# Altium PCB ps32-lite_rev_a_public.pcbdoc (part 3 of 3)
Units mm, origin at the board's own origin, x right, y up, seen from the top; angles counter-clockwise.
Board outline 80 x 99 mm, 4 copper layers (Top Layer, Int1 (GND), Int2 (PWR), Bottom Layer), stack 1.369 mm thick; 80 components, 247 nets, 825 pads, 640 vias.
Unrouted connection lines stored in the file: 30.
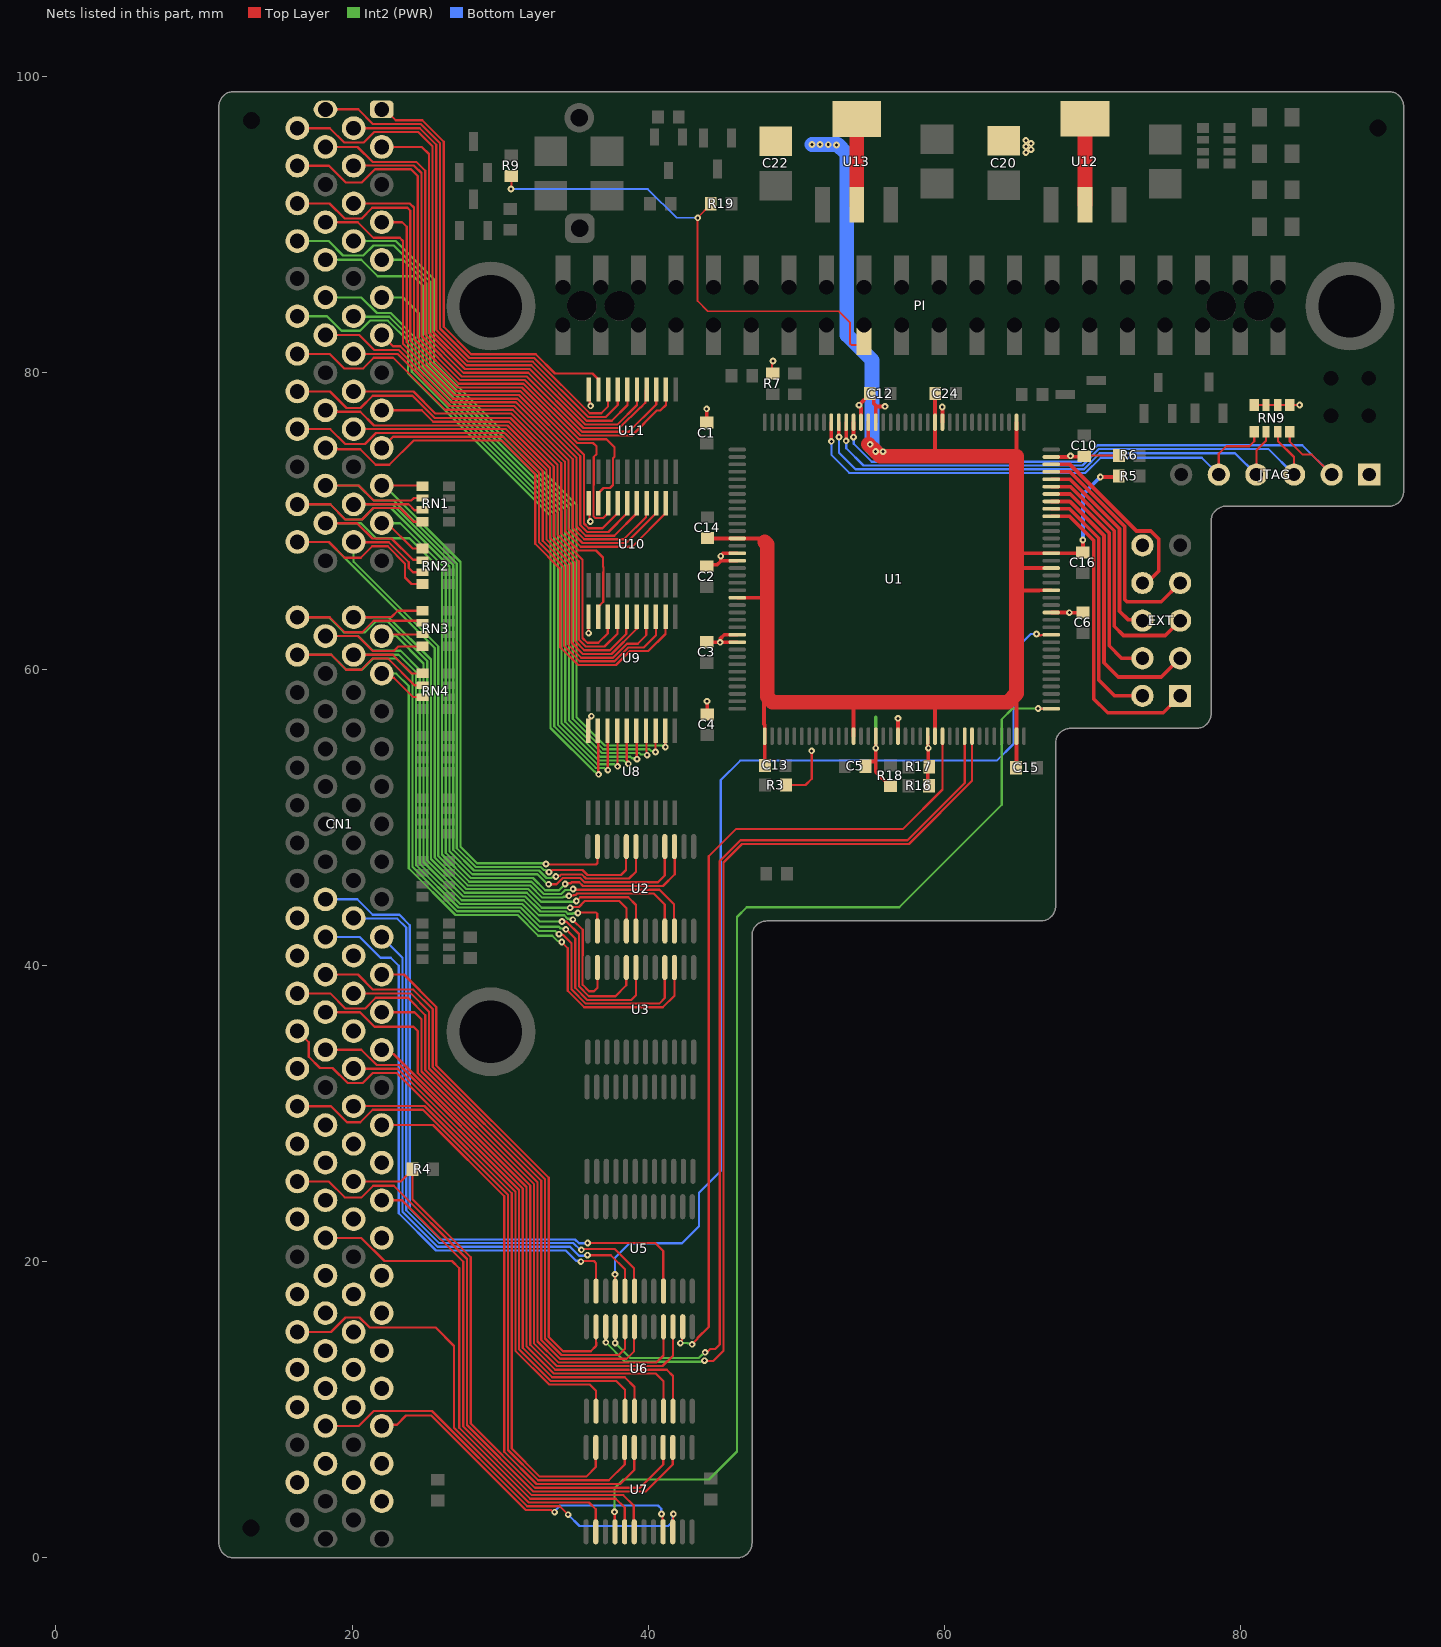
[diagram p5: the nets of this part, all layers, seen from the top]

## Via types
v1: diameter 0.45, hole 0.2, Top Layer to Bottom Layer, tented both sides, 430 vias
v2: diameter 0.8, hole 0.4, Top Layer to Bottom Layer, tented both sides, 210 vias

## Nets (pads, with @x,y where several pads share a name; then routed paths per layer and width w, separated by ;. In a path a pad name is that pad's centre, name@x,y a point inside that pad or via, vN(x,y) a via of type N, cw(c..) or ccw(c..) an arc to the next point about the centre after c; other vN are vias at no path point) (continued)
P82: CN1.P$82 U5.21 | length 46.6
  Top Layer w0.15: v1(35.907,21.259) 40.468,21.259 41.009,20.718 41.009,18.018 U5.21@41.019,18.007
  Bottom Layer w0.15: CN1.P$82@18.2,44.46 20.351,44.46 21.398,43.413 23.193,43.413 23.897,42.709 23.897,23.577 25.977,21.497 35.05,21.497 35.313,21.234 35.882,21.234 v1(35.907,21.259)
P83: CN1.P$83 U5.18 | length 41.5
  Top Layer w0.15: v1(35.478,20.797) 35.528,20.848 37.724,20.848 39.04,19.531 39.04,18.036 U5.18@39.069,18.007
  Bottom Layer w0.15: CN1.P$83@20.1,43.19 20.132,43.158 23.05,43.158 23.647,42.56 23.647,23.473 25.873,21.247 34.946,21.247 35.396,20.797 v1(35.478,20.797)
P84: CN1.P$84
P85: CN1.P$85 U5.17 | length 37.3
  Top Layer w0.15: v1(35.891,20.434) 37.461,20.434 38.419,19.476 U5.17@38.419,18.007
  Bottom Layer w0.15: CN1.P$85@22,41.92 23.397,40.523 23.397,23.37 25.769,20.997 34.712,20.997 35.312,20.397 35.854,20.397 v1(35.891,20.434)
P86: CN1.P$86 U5.14 | length 39.1
  Top Layer w0.15: v1(35.444,19.997) 35.481,20.034 36.325,20.034 36.469,19.89 U5.14@36.469,18.007
  Bottom Layer w0.15: CN1.P$86@18.2,41.92 20.506,41.92 21.916,40.51 22.606,40.51 23.147,39.969 23.147,23.266 25.666,20.747 34.424,20.747 35.116,20.055 35.387,20.055 v1(35.444,19.997)
P87: CN1.P$87
P88: CN1.P$88
P89: CN1.P$89 U6.11 | length 36.3
  Top Layer w0.15: CN1.P$89@22,39.38 23.505,39.38 25.687,37.198 25.687,33.247 33.272,25.662 33.272,14.909 34.236,13.945 36.119,13.945 36.469,14.295 ; 36.469,14.546 U6.11@36.469,15.6 ; 36.471,14.546 U6.11@36.471,15.759 ; 36.476,14.326 36.476,14.546
P90: CN1.P$90 U6.8 | length 41.1
  Top Layer w0.15: CN1.P$90@18.2,39.38 20.399,39.38 21.414,38.365 24.124,38.365 25.437,37.052 25.437,33.143 33.022,25.558 33.022,14.806 34.133,13.695 37.996,13.695 38.419,14.118 U6.8@38.419,15.6
P91: CN1.P$91 U6.7 | length 39.6
  Top Layer w0.15: CN1.P$91@20.1,38.11 23.949,38.11 25.187,36.872 25.187,33.039 32.772,25.455 32.772,14.702 34.029,13.445 38.533,13.445 39.041,13.953 39.041,15.572 U6.7@39.069,15.6
P92: CN1.P$92 U6.4 | length 46.2
  Top Layer w0.15: CN1.P$92@16.3,38.11 18.523,38.11 19.551,37.082 20.863,37.082 21.596,37.815 23.765,37.815 24.937,36.643 24.937,32.936 32.522,25.351 32.522,14.599 33.926,13.195 40.548,13.195 41.019,13.667 41.019,14.293 U6.4@41.019,15.6
P93: CN1.P$93 U6.3 | length 40.2
  Top Layer w0.15: CN1.P$93@22,36.84 24.206,36.84 24.687,36.359 24.687,32.832 32.272,25.247 32.272,14.495 33.822,12.945 40.962,12.945 41.669,13.652 U6.3@41.669,15.6
P94: CN1.P$94 U6.22 | length 44
  Top Layer w0.15: CN1.P$94@18.2,36.84 18.208,36.832 20.528,36.832 21.503,35.857 24.148,35.857 24.437,35.568 24.437,32.729 32.022,25.144 32.022,14.391 33.718,12.695 41.247,12.695 41.669,12.273 U6.22@41.669,9.9
P95: CN1.P$95
P96: CN1.P$96 U6.14 | length 39
  Top Layer w0.15: CN1.P$96@16.3,35.57 17.064,34.806 17.064,33.835 17.826,33.074 18.677,33.074 19.696,32.055 20.71,32.055 21.39,32.735 23.016,32.735 31.022,24.73 31.022,13.977 33.304,11.695 36.051,11.695 36.469,11.276 U6.14@36.469,9.9
P97: CN1.P$97 U6.21 | length 36.6
  Top Layer w0.15: CN1.P$97@22,34.3 22.277,34.023 22.79,34.023 31.772,25.04 31.772,14.288 33.615,12.445 40.498,12.445 41.019,11.923 U6.21@41.019,9.9
P98: CN1.P$98 U6.18 | length 38.2
  Top Layer w0.15: CN1.P$98@18.2,34.3 20.621,34.3 21.653,33.268 23.191,33.268 31.522,24.937 31.522,14.184 33.511,12.195 38.412,12.195 39.069,11.537 U6.18@39.069,9.9
P99: CN1.P$99 U6.17 | length 35.1
  Top Layer w0.15: CN1.P$99@20.1,33.03 20.112,33.018 23.087,33.018 31.272,24.833 31.272,14.081 33.408,11.945 37.829,11.945 38.419,11.354 U6.17@38.419,9.9
P100: CN1.P$100
P103: CN1.P$103 U7.11 | length 38.4
  Top Layer w0.15: CN1.P$103@20.1,30.49 20.11,30.5 24.89,30.5 30.772,24.618 30.772,7.386 32.676,5.482 35.802,5.482 36.45,6.13 36.45,6.35 U7.11@36.45,7.455
P104: CN1.P$104 U7.8 | length 45
  Top Layer w0.15: CN1.P$104@16.3,30.49 18.568,30.49 19.649,29.409 20.556,29.409 21.397,30.25 24.787,30.25 30.522,24.515 30.522,7.282 32.572,5.232 37.334,5.232 38.4,6.298 U7.8@38.4,7.455
P105: CN1.P$105 U7.7 | length 39.1
  Top Layer w0.15: CN1.P$105@22,29.22 25.463,29.22 30.272,24.411 30.272,7.153 32.443,4.982 38.102,4.982 39.05,5.93 39.05,6.375 U7.7@39.05,7.455
P106: CN1.P$106
P107: CN1.P$107
P108: CN1.P$108
P109: CN1.P$109
P110: CN1.P$110
P111: CN1.P$111 R4.1 U7.4 | length 39.7
  Top Layer w0.15: CN1.P$111@20.1,25.41 20.107,25.417 23.299,25.417 24.067,26.185 R4.1@24.067,26.235 24.067,24.224 28.003,20.288 28.003,9.069 32.34,4.732 39.434,4.732 41,6.298 U7.4@41,7.455
P112: CN1.P$112 U7.3 | length 43.1
  Top Layer w0.15: CN1.P$112@16.3,25.41 18.428,25.41 19.501,24.337 20.641,24.337 21.418,25.115 22.81,25.115 27.753,20.172 27.753,8.965 32.236,4.482 39.834,4.482 41.65,6.298 U7.3@41.65,7.455
P113: CN1.P$113 U7.18 | length 33.9
  Top Layer w0.15: CN1.P$113@22,24.14 23.36,24.14 27.503,19.997 27.503,8.862 32.132,4.232 38.313,4.232 39.019,3.525 39.019,1.786 U7.18@39.05,1.755
P114: CN1.P$114
P115: CN1.P$115
P116: CN1.P$116
P117: CN1.P$117
P118: CN1.P$118 U7.17 | length 35.7
  Top Layer w0.15: CN1.P$118@18.2,21.6 20.621,21.6 22.186,20.035 26.747,20.035 27.229,19.553 27.229,8.782 32.029,3.982 37.807,3.982 38.4,3.389 U7.17@38.4,1.755
P121: CN1.P$121
P122: CN1.P$122
P123: CN1.P$123
P124: CN1.P$124
P125: CN1.P$125
P126: CN1.P$126
P127: CN1.P$127
P128: CN1.P$128 U7.14 | length 30.7
  Top Layer w0.15: CN1.P$128@16.3,15.25 18.579,15.25 19.554,16.225 20.504,16.225 21.184,15.545 25.644,15.545 26.882,14.306 26.882,8.775 31.925,3.732 36,3.732 36.451,3.281 36.451,1.756 U7.14@36.45,1.755
P129: CN1.P$129
P130: CN1.P$130
P131: CN1.P$131
P132: CN1.P$132
P133: CN1.P$133
P134: CN1.P$134
P135: CN1.P$135
P136: CN1.P$136
P137: CN1.P$137 U7.21 | length 23.8
  Top Layer w0.15: CN1.P$137@22,8.9 22.091,8.991 23.025,8.991 23.636,9.603 25.348,9.603 31.725,3.225 33.445,3.225 33.589,3.082 v1(33.67,3.082) ; v1(40.885,2.955) 40.885,2.873 40.962,2.797 40.962,1.793 U7.21@41,1.755
  Bottom Layer w0.15: v1(33.67,3.082) 33.67,3.163 33.893,3.386 33.893,3.389 34.04,3.536 40.654,3.536 40.872,3.318 40.872,2.967 v1(40.885,2.955)
P138: CN1.P$138 U7.22 | length 28.9
  Top Layer w0.15: CN1.P$138@18.2,8.9 20.443,8.9 21.458,9.915 25.389,9.915 31.822,3.482 34.015,3.482 v1(34.587,2.91) ; U7.22@41.65,1.755 41.668,1.772 41.668,2.935 v1(41.685,2.953)
  Bottom Layer w0.15: v1(34.587,2.91) 35.348,2.148 41.35,2.148 41.638,2.436 41.638,2.905 v1(41.685,2.953)
P141: CN1.P$141
P142: CN1.P$142
P143: CN1.P$143
P144: CN1.P$144
P145: CN1.P$145
PS1: CN1.P$1 U11.19 | length 30.2
  Top Layer w0.15: CN1.P$1@22,97.8 22.2,97.8 22.938,97.062 24.735,97.062 26.183,95.614 26.183,83.113 28.029,81.267 32.403,81.267 33.704,79.966 36.232,79.966 36.636,79.562 U11.19@36.636,78.887
PS2: CN1.P$2 U11.18 | length 36.2
  Top Layer w0.15: CN1.P$2@18.2,97.8 20.406,97.8 21.395,96.812 24.631,96.812 25.933,95.51 25.933,83.01 27.926,81.017 32.3,81.017 36.037,77.279 36.813,77.279 37.284,77.75 37.284,78.885 U11.18@37.286,78.887
PS3: CN1.P$3 U11.17 | length 34.6
  Top Layer w0.15: CN1.P$3@20.1,96.53 24.559,96.53 25.683,95.407 25.683,82.906 27.822,80.767 32.196,80.767 35.934,77.029 37.129,77.029 37.936,77.837 U11.17@37.936,78.887
PS4: CN1.P$4 U11.16 | length 39.9
  Top Layer w0.15: CN1.P$4@16.3,96.53 18.496,96.53 19.467,95.559 20.009,95.559 ccw(c20.1,96.53) 20.191,95.559 20.789,95.559 21.499,96.27 24.466,96.27 25.433,95.303 25.433,82.803 27.719,80.517 32.093,80.517 35.83,76.779 37.529,76.779 38.586,77.837 U11.16@38.586,78.887
PS5: CN1.P$5 U11.15 | length 33.7
  Top Layer w0.15: CN1.P$5@22,95.26 24.703,95.26 25.183,94.78 25.183,82.699 27.615,80.267 31.989,80.267 35.727,76.529 37.929,76.529 39.236,77.837 U11.15@39.236,78.887
PS6: CN1.P$6 U11.14 | length 37.6
  Top Layer w0.15: CN1.P$6@18.2,95.26 20.367,95.26 21.373,94.254 24.332,94.254 24.933,93.653 24.933,82.596 27.511,80.017 31.886,80.017 35.623,76.279 38.032,76.279 38.076,76.321 39.459,77.662 39.466,77.662 39.795,77.99 39.805,77.99 39.811,77.996 39.811,78.812 U11.14@39.886,78.887
PS7: CN1.P$7 U11.13 | length 36.1
  Top Layer w0.15: CN1.P$7@20.1,93.99 20.111,94.001 24.183,94.001 24.683,93.502 24.683,82.492 27.408,79.767 31.782,79.767 35.52,76.029 38.686,76.029 40.536,77.879 U11.13@40.536,78.887
PS8: CN1.P$8 U11.12 | length 41.5
  Top Layer w0.15: CN1.P$8@16.3,93.99 18.433,93.99 19.564,92.859 20.654,92.859 21.547,93.751 23.977,93.751 24.43,93.298 24.43,82.391 27.304,79.517 31.679,79.517 35.416,75.779 38.895,75.779 40.592,77.476 40.825,77.476 41.186,77.837 U11.12@41.186,78.887
PS11: CN1.P$11 U10.19 | length 34.1
  Top Layer w0.15: CN1.P$11@20.1,91.45 23.898,91.45 24.18,91.168 24.18,82.287 27.201,79.267 31.575,79.267 35.313,75.529 37.17,75.529 37.717,74.982 37.717,74.34 37.611,74.234 37.611,72.439 37.408,72.236 36.975,72.236 36.629,71.89 U10.19@36.629,71.215
PS12: CN1.P$12 U10.18 | length 39.4
  Top Layer w0.15: CN1.P$12@16.3,91.45 18.473,91.45 19.493,90.43 20.641,90.43 21.364,91.153 21.594,91.153 21.596,91.155 23.733,91.155 23.93,90.958 23.93,82.184 27.097,79.017 31.471,79.017 35.209,75.279 36.262,75.279 36.497,75.045 36.497,74.521 36.311,74.336 36.311,72.439 36.304,72.432 36.304,70.317 36.407,70.215 36.954,70.215 37.279,70.54 U10.18@37.279,71.215
PS13: CN1.P$13 U10.17 | length 32.9
  Top Layer w0.15: CN1.P$13@22,90.18 23.376,90.18 23.68,89.875 23.68,82.08 26.994,78.767 31.368,78.767 35.654,74.481 35.654,69.836 35.974,69.516 36.905,69.516 37.929,70.54 U10.17@37.929,71.215
PS14: CN1.P$14 U10.16 | length 37
  Top Layer w0.15: CN1.P$14@18.2,90.18 20.381,90.18 21.434,89.127 23.213,89.127 23.43,88.91 23.43,81.977 26.89,78.517 31.264,78.517 35.404,74.377 35.404,69.732 35.87,69.266 37.305,69.266 38.579,70.54 U10.16@38.579,71.215
PS15: CN1.P$15 U8.12 | length 48
  Top Layer w0.15: U8.12@41.141,55.887 41.144,55.884 41.144,54.746 v1(41.145,54.745)
  Int2 (PWR) w0.15: CN1.P$15@20.1,88.91 22.952,88.91 25.52,86.342 25.52,80.732 35.142,71.11 35.142,56.76 37.057,54.846 40.927,54.846 40.936,54.836 40.973,54.836 41.064,54.745 v1(41.145,54.745)
PS16: CN1.P$16 U8.13 | length 52.1
  Top Layer w0.15: v1(40.484,54.413) 40.488,54.417 40.488,55.879 U8.13@40.486,55.881
  Int2 (PWR) w0.15: CN1.P$16@16.3,88.91 18.413,88.91 19.388,87.935 20.758,87.935 21.438,88.615 22.809,88.615 25.27,86.154 25.27,80.605 34.892,70.982 34.892,56.656 36.953,54.596 40.073,54.596 40.113,54.556 40.121,54.556 40.206,54.471 40.427,54.471 v1(40.484,54.413)
PS17: CN1.P$17 U8.14 | length 45.1
  Top Layer w0.15: U8.14@39.841,55.886 39.881,55.847 39.881,54.23 v1(39.919,54.191)
  Int2 (PWR) w0.15: CN1.P$17@22,87.64 23.43,87.64 25.02,86.05 25.02,80.501 34.642,70.879 34.642,56.553 36.85,54.346 39.384,54.346 39.481,54.249 39.862,54.249 v1(39.919,54.191)
PS18: CN1.P$18 U8.15 | length 48.6
  Top Layer w0.15: U8.15@39.189,55.886 39.216,55.859 39.216,53.946 v1(39.239,53.923)
  Int2 (PWR) w0.15: CN1.P$18@18.2,87.64 20.621,87.64 21.73,86.532 24.14,86.532 24.77,85.901 24.77,80.398 34.392,70.775 34.392,56.449 36.756,54.086 38.786,54.086 38.891,53.981 39.181,53.981 v1(39.239,53.923)
PS21: CN1.P$21 U8.16 | length 42.6
  Top Layer w0.15: U8.16@38.54,55.887 38.538,55.885 38.538,53.863 38.591,53.81 38.591,53.671 v1(38.649,53.614)
  Int2 (PWR) w0.15: CN1.P$21@22,85.1 23.43,85.1 24.52,84.01 24.52,80.294 34.142,70.672 34.142,56.346 36.653,53.836 38.346,53.836 38.567,53.614 v1(38.649,53.614)
PS22: CN1.P$22 U8.17 | length 44.9
  Top Layer w0.15: U8.17@37.908,55.847 37.908,53.451 v1(37.924,53.436)
  Int2 (PWR) w0.15: CN1.P$22@18.2,85.1 20.621,85.1 21.678,84.043 22.603,84.043 24.27,82.376 24.27,80.19 33.892,70.568 33.892,56.242 36.549,53.586 37.693,53.586 37.843,53.436 v1(37.924,53.436)
PS23: CN1.P$23 U8.18 | length 42.2
  Top Layer w0.15: U8.18@37.255,55.873 37.255,53.193 v1(37.262,53.186)
  Int2 (PWR) w0.15: CN1.P$23@20.1,83.83 20.137,83.793 22.499,83.793 24.02,82.272 24.02,80.087 33.642,70.465 33.642,56.139 36.445,53.336 37.031,53.336 37.181,53.186 v1(37.262,53.186)
PS24: CN1.P$24 U8.19 | length 46.4
  Top Layer w0.15: U8.19@36.587,55.884 36.618,55.853 36.618,52.923 v1(36.644,52.897)
  Int2 (PWR) w0.15: CN1.P$24@16.3,83.83 18.309,83.83 19.284,82.855 20.524,82.855 21.204,83.535 22.404,83.535 23.77,82.169 23.77,79.983 33.392,70.361 33.392,56.035 36.342,53.086 36.374,53.086 36.563,52.897 v1(36.644,52.897)
PS25: CN1.P$25 U10.15 | length 26.9
  Top Layer w0.15: CN1.P$25@22,82.56 22.754,81.806 23.248,81.806 26.787,78.267 31.161,78.267 35.154,74.274 35.154,69.629 35.767,69.016 37.705,69.016 39.229,70.54 U10.15@39.229,71.215
PS26: CN1.P$26 U10.14 | length 31.7
  Top Layer w0.15: CN1.P$26@18.2,82.56 20.484,82.56 21.488,81.556 23.144,81.556 26.683,78.017 31.057,78.017 34.899,74.175 34.899,69.53 35.663,68.766 38.342,68.766 39.838,70.262 39.838,71.174 U10.14@39.879,71.215
PS27: CN1.P$27 U10.13 | length 30
  Top Layer w0.15: CN1.P$27@20.1,81.29 23.056,81.29 26.579,77.767 30.954,77.767 34.615,74.106 34.615,69.461 35.559,68.516 38.505,68.516 40.529,70.54 U10.13@40.529,71.215
PS28: CN1.P$28 U10.12 | length 35.2
  Top Layer w0.15: CN1.P$28@16.3,81.29 18.465,81.29 19.444,80.311 20.746,80.311 21.464,81.03 22.768,81.03 26.281,77.517 30.85,77.517 34.365,74.002 34.365,69.337 35.436,68.266 38.905,68.266 41.179,70.54 U10.12@41.179,71.215
PS31: CN1.P$31 U9.19 | length 28.4
  Top Layer w0.15: CN1.P$31@20.1,78.75 24.137,78.75 25.62,77.267 30.747,77.267 34.115,73.899 34.115,69.186 35.284,68.016 36.468,68.016 36.943,67.541 36.943,66.925 36.979,66.889 36.979,66.587 36.954,66.562 36.954,64.544 36.611,64.201 U9.19@36.611,63.526
PS32: CN1.P$32 U9.18 | length 35.9
  Top Layer w0.15: CN1.P$32@16.3,78.75 18.511,78.75 19.624,77.638 20.57,77.638 21.397,78.465 24.069,78.465 25.574,76.96 30.7,76.96 33.865,73.795 33.865,69.082 35.555,67.391 35.555,62.107 35.884,61.779 36.626,61.779 37.261,62.413 U9.18@37.261,63.526
PS33: CN1.P$33 U9.17 | length 29.9
  Top Layer w0.15: CN1.P$33@22,77.48 24.7,77.48 25.47,76.71 30.596,76.71 33.615,73.692 33.615,68.979 35.305,67.288 35.305,62.003 35.78,61.529 37.041,61.529 37.911,62.399 U9.17@37.911,63.526
PS34: CN1.P$34 U9.16 | length 34.5
  Top Layer w0.15: CN1.P$34@18.2,77.48 18.292,77.388 20.554,77.388 21.482,76.46 30.493,76.46 33.365,73.588 33.365,68.875 35.055,67.184 35.055,61.9 35.677,61.279 37.409,61.279 38.512,62.381 38.512,63.388 U9.16@38.605,63.482
PS35: CN1.P$35 U9.15 | length 32.8
  Top Layer w0.15: CN1.P$35@20.1,76.21 30.389,76.21 33.115,73.485 33.115,68.772 34.805,67.081 34.805,61.796 35.573,61.029 37.513,61.029 39.211,62.727 U9.15@39.211,63.526
PS36: CN1.P$36 U9.14 | length 38.3
  Top Layer w0.15: CN1.P$36@16.3,76.21 18.52,76.21 19.527,75.202 20.869,75.202 21.612,75.945 30.301,75.945 32.865,73.381 32.865,68.668 34.555,66.977 34.555,61.693 35.469,60.779 37.616,60.779 38.561,61.723 39.283,61.723 39.861,62.301 U9.14@39.861,63.526
PS37: CN1.P$37 U9.13 | length 32.9
  Top Layer w0.15: CN1.P$37@22,74.94 22.755,75.695 30.197,75.695 32.615,73.278 32.615,68.564 34.305,66.874 34.305,61.589 35.366,60.529 37.72,60.529 38.664,61.473 39.702,61.473 40.509,62.281 U9.13@40.511,63.526 U9.13@40.511,63.526
PS38: CN1.P$38 U9.12 | length 38.3
  Top Layer w0.15: CN1.P$38@18.2,74.94 18.294,74.846 20.542,74.846 21.59,73.798 22.504,73.798 24.151,75.445 30.094,75.445 32.365,73.174 32.365,68.461 34.055,66.77 34.055,61.486 35.262,60.279 37.824,60.279 38.768,61.223 40.001,61.223 41.161,62.383 U9.12@41.161,63.526
PS41: CN1.P$41 RN1.5 U2.11 | length 40.3
  Top Layer w0.15: CN1.P$41@22,72.4 24.711,72.4 RN1.5@24.752,72.359 ; v1(33.088,46.849) 33.123,46.814 36.462,46.814 36.564,46.916 U2.11@36.564,48.023
  Int2 (PWR) w0.15: CN1.P$41@22,72.4 22.163,72.4 27.321,67.242 27.321,48.011 28.43,46.902 33.035,46.902 v1(33.088,46.849)
PS42: CN1.P$42 RN1.6 U2.8 | length 51.3
  Top Layer w0.15: CN1.P$42@18.2,72.4 20.444,72.4 21.461,71.383 23.994,71.383 24.17,71.559 RN1.6@24.751,71.559 ; v1(33.288,46.295) 33.352,46.295 33.505,46.448 35.556,46.448 35.895,46.11 38.16,46.11 38.494,46.444 38.494,48.003 U2.8@38.514,48.023
  Int2 (PWR) w0.15: CN1.P$42@18.2,72.4 20.434,72.4 21.453,71.381 22.829,71.381 27.071,67.138 27.071,47.907 28.326,46.652 32.719,46.652 32.922,46.449 33.053,46.449 33.207,46.295 v1(33.288,46.295)
PS43: CN1.P$43 RN1.7 U2.7 | length 47.7
  Top Layer w0.15: CN1.P$43@20.1,71.13 23.813,71.13 24.214,70.729 24.722,70.729 RN1.7@24.751,70.759 ; v1(33.753,45.999) 33.81,46.056 34.022,46.056 34.111,46.145 35.506,46.145 35.791,45.86 38.694,45.86 39.164,46.33 U2.7@39.164,48.023
  Int2 (PWR) w0.15: CN1.P$43@20.1,71.13 22.726,71.13 26.821,67.035 26.821,47.803 28.223,46.402 32.616,46.402 33.122,45.895 33.454,45.895 33.5,45.941 33.695,45.941 v1(33.753,45.999)
PS44: CN1.P$44 RN1.8 U2.4 | length 59.4
  Top Layer w0.15: CN1.P$44@16.3,71.13 18.517,71.13 19.537,70.11 20.667,70.11 21.434,70.877 23.226,70.877 24.144,69.959 RN1.8@24.751,69.959 ; v1(33.267,45.478) 33.797,45.478 34.215,45.895 35.402,45.895 35.688,45.61 40.657,45.61 41.114,46.067 U2.4@41.114,48.023
  Int2 (PWR) w0.15: CN1.P$44@16.3,71.13 18.524,71.13 19.544,70.11 20.673,70.11 21.443,70.88 22.622,70.88 26.571,66.931 26.571,47.7 28.119,46.152 32.512,46.152 33.036,45.628 33.186,45.478 v1(33.267,45.478) v1@33.235,45.445
PS45: CN1.P$45 RN2.5 U2.3 | length 47.3
  Top Layer w0.15: CN1.P$45@22,69.86 22.379,69.86 24.087,68.152 RN2.5@24.752,68.152 ; v1(34.381,45.495) 34.438,45.552 34.754,45.552 34.817,45.616 35.328,45.616 35.588,45.356 40.992,45.356 41.783,46.147 41.783,48.004 U2.3@41.764,48.023
  Int2 (PWR) w0.15: CN1.P$45@22,69.86 23.24,69.86 26.321,66.779 26.321,47.596 28.015,45.902 32.21,45.902 33.034,45.078 33.963,45.078 v1(34.381,45.495)
PS46: CN1.P$46 RN2.6 U2.22 | length 55.1
  Top Layer w0.15: CN1.P$46@18.2,69.86 20.335,69.86 21.369,68.827 22.663,68.827 24.106,67.383 24.72,67.383 RN2.6@24.751,67.352 ; v1(34.924,45.157) 34.975,45.106 40.751,45.106 41.732,44.126 41.732,42.355 U2.22@41.764,42.323
  Int2 (PWR) w0.15: CN1.P$46@18.2,69.86 20.594,69.86 21.61,68.843 23.874,68.843 26.071,66.647 26.071,47.493 27.912,45.652 32.106,45.652 32.931,44.828 34.122,44.828 34.39,45.095 34.546,45.095 34.551,45.1 34.867,45.1 v1(34.924,45.157)
PS47: CN1.P$47 RN2.7 U2.21 | length 48
  Top Layer w0.15: CN1.P$47@20.1,68.59 20.113,68.577 22.476,68.577 23.824,67.229 23.824,66.835 24.107,66.552 RN2.7@24.751,66.552 ; v1(34.629,44.692) 34.651,44.714 34.942,44.714 34.985,44.757 35.09,44.757 35.189,44.856 40.364,44.856 41.114,44.106 U2.21@41.114,42.323
  Int2 (PWR) w0.15: CN1.P$47@20.1,68.59 20.1,67.261 25.821,61.54 25.821,47.389 27.808,45.402 32.003,45.402 32.829,44.576 34.224,44.576 34.283,44.634 34.571,44.634 v1(34.629,44.692)
PS48: CN1.P$48 RN2.8 U2.18 | length 54.1
  Top Layer w0.15: CN1.P$48@16.3,68.59 18.432,68.59 19.502,67.521 20.59,67.521 21.364,68.295 22.404,68.295 23.574,67.125 23.574,66.187 24.009,65.752 RN2.8@24.751,65.752 ; v1(35.143,44.349) 35.399,44.606 38.641,44.606 39.164,44.083 U2.18@39.164,42.323
  Int2 (PWR) w0.15: CN1.P$48@16.3,68.59 18.418,68.59 25.571,61.437 25.571,47.286 27.705,45.152 31.899,45.152 32.759,44.292 34.467,44.292 35.085,44.292 v1(35.143,44.349)
PS51: CN1.P$51 RN3.5 U2.17 | length 41.2
  Top Layer w0.15: CN1.P$51@20.1,63.51 21.342,63.51 21.352,63.52 22.656,63.52 23.075,63.939 RN3.5@24.752,63.939 ; v1(34.725,43.892) 34.77,43.936 35.237,43.936 35.25,43.949 35.313,43.949 35.706,44.342 38.037,44.342 38.518,43.861 38.518,42.327 U2.17@38.514,42.323
  Int2 (PWR) w0.15: CN1.P$51@20.1,63.51 22.462,63.51 25.321,60.651 25.321,47.182 27.601,44.902 31.796,44.902 32.806,43.892 v1(34.725,43.892)
PS52: CN1.P$52 RN3.6 U2.14 | length 47.4
  Top Layer w0.15: CN1.P$52@16.3,63.51 18.486,63.51 19.502,62.494 20.679,62.494 21.455,63.27 24.621,63.27 RN3.6@24.751,63.139 ; v1(35.239,43.536) 35.274,43.571 36.456,43.571 36.544,43.484 36.544,42.343 U2.14@36.564,42.323
  Int2 (PWR) w0.15: CN1.P$52@16.3,63.51 18.416,63.51 19.433,62.493 20.874,62.493 21.596,63.215 22.404,63.215 25.071,60.548 25.071,47.079 27.498,44.652 31.692,44.652 32.711,43.633 34.419,43.633 34.559,43.492 34.891,43.492 34.919,43.52 35.043,43.52 v1@35.112,43.451
PS53: CN1.P$53 RN3.7 U3.11 | length 38.8
  Top Layer w0.15: CN1.P$53@22,62.24 22.099,62.339 RN3.7@24.751,62.339 ; v1(34.905,43.092) 34.905,43.07 35.564,42.411 35.564,40.681 35.562,40.679 35.562,38.697 35.999,38.261 36.328,38.261 36.562,38.495 U3.11@36.562,39.859
  Int2 (PWR) w0.15: CN1.P$53@22,62.24 22.972,62.24 24.821,60.391 24.821,46.975 27.394,44.402 31.589,44.402 32.608,43.383 34.315,43.383 34.549,43.149 34.848,43.149 v1(34.905,43.092)
PS54: CN1.P$54 RN3.8 U3.8 | length 48.7
  Top Layer w0.15: CN1.P$54@18.2,62.24 20.377,62.24 21.387,61.23 22.802,61.23 23.111,61.539 RN3.8@24.751,61.539 ; v1(34.166,42.966) 34.181,42.951 34.48,42.951 35.314,42.117 35.314,40.784 35.312,40.782 35.312,38.592 35.985,37.918 37.776,37.918 38.512,38.655 U3.8@38.512,39.859
  Int2 (PWR) w0.15: CN1.P$54@18.2,62.24 20.419,62.24 21.411,61.248 23.273,61.248 24.571,59.95 24.571,46.871 27.291,44.152 31.485,44.152 32.671,42.966 v1(34.166,42.966)
PS55: CN1.P$55 RN4.5 U3.7 | length 45.5
  Top Layer w0.15: CN1.P$55@20.1,60.97 21.276,60.97 21.286,60.98 22.749,60.98 24.016,59.713 RN4.5@24.752,59.713 ; v1(34.427,42.438) 34.445,42.438 35.064,41.819 35.064,40.888 35.062,40.886 35.062,38.488 35.882,37.668 38.851,37.668 39.167,37.984 U3.7@39.167,39.854
  Int2 (PWR) w0.15: CN1.P$55@20.1,60.97 20.106,60.976 23.139,60.976 24.321,59.794 24.321,46.768 27.187,43.902 31.381,43.902 32.677,42.606 33.96,42.606 34.071,42.496 34.37,42.496 v1(34.427,42.438)
PS56: CN1.P$56 RN4.6 U3.4 | length 56.8
  Top Layer w0.15: CN1.P$56@16.3,60.97 18.594,60.97 19.61,59.955 20.614,59.955 21.389,60.73 22.401,60.73 24.214,58.917 24.748,58.917 RN4.6@24.751,58.913 ; v1(33.97,42.109) 34.027,42.051 34.251,42.051 34.814,41.488 34.814,40.992 34.812,40.989 34.812,38.385 35.778,37.418 40.737,37.418 41.112,37.793 U3.4@41.112,39.859
  Int2 (PWR) w0.15: CN1.P$56@16.3,60.97 18.591,60.97 19.585,59.976 20.661,59.976 21.411,60.726 22.983,60.726 24.071,59.638 24.071,46.664 27.083,43.652 31.278,43.652 32.604,42.326 33.718,42.326 33.936,42.109 v1(33.97,42.109)
PS57: CN1.P$57 RN4.7 U3.3 | length 43.6
  Top Layer w0.15: CN1.P$57@22,59.7 22.277,59.423 22.809,59.423 24.118,58.113 RN4.7@24.751,58.113 ; v1(34.154,41.582) 34.154,41.571 34.562,41.163 34.562,38.281 35.675,37.168 40.979,37.168 41.767,37.956 U3.3@41.767,39.854
  Int2 (PWR) w0.15: CN1.P$57@22,59.7 22.979,59.7 23.821,58.858 23.821,46.561 26.98,43.402 31.174,43.402 32.568,42.008 33.505,42.008 33.874,41.639 34.097,41.639 v1(34.154,41.582)
RESET: U1.109 U7.16 | length 78.8
  Top Layer w0.15: v1(37.717,3.107) 37.734,3.091 37.734,1.717 U7.16@37.752,1.698 ; v1(66.324,57.342) 66.331,57.335 67.201,57.335 U1.109@67.208,57.328
  Int2 (PWR) w0.15: v1(37.717,3.107) 37.717,4.693 38.306,5.282 44.09,5.282 45.988,7.179 45.988,42.71 45.988,43.267 46.645,43.925 47.203,43.925 56.939,43.925 63.856,50.842 63.856,56.612 64.586,57.342 v1(66.324,57.342)
RST: U1.119 U5.16 | length 69.8
  Top Layer w0.15: U5.16@37.731,17.941 37.741,17.951 37.741,19.142 v1(37.743,19.144) ; v1(66.208,62.375) 66.253,62.375 66.358,62.27 66.498,62.27 66.536,62.309 67.188,62.309 U1.119@67.208,62.328
  Bottom Layer w0.15: v1(37.743,19.144) 37.743,20.259 38.729,21.244 42.279,21.244 43.423,22.388 43.423,24.643 44.893,26.113 44.893,52.514 46.206,53.827 63.528,53.827 64.656,54.954 64.656,61.215 65.812,62.372 66.205,62.372 v1(66.208,62.375)
RW: U1.97 U6.2 | length 56.7
  Top Layer w0.15: v1(42.158,14.497) 42.158,14.578 42.281,14.701 U6.2@42.281,15.692 ; v1(42.958,14.416) 43.324,14.782 43.324,14.834 44.075,15.585 44.075,47.366 45.909,49.201 57.186,49.201 59.858,51.872 U1.97@59.858,55.478
  Int2 (PWR) w0.15: v1(42.158,14.497) 42.65,14.497 42.673,14.473 42.9,14.473 v1(42.958,14.416)
SIZ0: U1.100 U6.9 | length 63.6
  Top Layer w0.15: v1(37.762,14.505) 37.766,14.51 37.766,15.728 U6.9@37.771,15.733 ; v1(43.838,13.869) 43.942,13.869 44.177,14.104 44.524,14.104 44.825,14.404 44.825,47.055 46.22,48.451 57.497,48.451 61.358,52.311 U1.100@61.358,55.478
  Int2 (PWR) w0.15: v1(37.762,14.505) 38.775,13.492 43.398,13.492 43.623,13.717 43.65,13.717 43.802,13.869 v1(43.838,13.869)
SIZ1: U1.101 U6.10 | length 65
  Top Layer w0.15: v1(37.126,14.546) 37.124,14.549 37.124,15.722 U6.10@37.126,15.724 ; v1(43.789,13.317) 43.809,13.297 44.395,13.297 45.075,13.976 45.075,46.952 46.324,48.201 57.6,48.201 61.858,52.458 U1.101@61.858,55.478
  Int2 (PWR) w0.15: v1(37.126,14.546) 38.431,13.242 43.502,13.242 43.519,13.259 43.731,13.259 v1(43.789,13.317)
SPARE0: EXT.1 U1.135 | length 20.9
  Top Layer w0.25: U1.135@67.208,70.328 68.44,70.328 70.064,68.704 70.064,58.007 71.014,57.058 74.763,57.058 EXT.1@75.905,58.199
SPARE1: EXT.2 U1.136 | length 17
  Top Layer w0.25: U1.136@67.208,70.828 68.435,70.828 70.414,68.849 70.414,59.265 71.481,58.199 EXT.2@73.365,58.199
SPARE2: EXT.3 U1.137 | length 19.2
  Top Layer w0.25: U1.137@67.208,71.328 68.463,71.328 70.764,69.027 70.764,60.437 71.728,59.473 74.639,59.473 EXT.3@75.905,60.739
SPARE3: EXT.4 U1.138 | length 15.2
  Top Layer w0.25: U1.138@67.208,71.828 68.487,71.828 71.114,69.2 71.114,61.575 71.95,60.739 EXT.4@73.365,60.739
SPARE4: EXT.5 U1.139 | length 17
  Top Layer w0.25: U1.139@67.208,72.328 68.482,72.328 71.464,69.345 71.464,62.902 72.088,62.279 74.904,62.279 EXT.5@75.905,63.279
SPARE5: EXT.6 U1.140 | length 13.4
  Top Layer w0.25: U1.140@67.208,72.828 68.477,72.828 71.814,69.49 71.814,63.918 72.386,63.346 73.297,63.346 EXT.6@73.365,63.279
SPARE6: EXT.7 U1.141 | length 15.7
  Top Layer w0.25: U1.141@67.208,73.328 68.472,73.328 72.164,69.635 72.164,64.7 72.311,64.554 74.64,64.554 EXT.7@75.905,65.819
SPARE7: EXT.8 U1.142 | length 13
  Top Layer w0.25: U1.142@67.208,73.828 68.467,73.828 72.961,69.334 73.927,69.334 74.47,68.79 74.47,66.632 73.657,65.819 EXT.8@73.365,65.819
TCK: JTAG.4 RN9.6 U1.26 | length 34.9
  Top Layer w0.15: JTAG.4@81.057,73.14 81.057,74.778 81.707,75.428 RN9.6@81.707,76.034
  Top Layer w0.25: U1.26@52.858,76.678 52.858,75.692 v1(52.872,75.678)
  Bottom Layer w0.15: v1(52.872,75.678) 52.872,74.62 53.987,73.505 69.413,73.505 70.486,74.578 79.618,74.578 JTAG.4@81.057,73.14
TDI: JTAG.5 RN9.5 U1.27 | length 34.6
  Top Layer w0.15: JTAG.5@78.517,73.14 78.517,74.541 79.029,75.054 80.568,75.054 80.907,75.392 RN9.5@80.907,76.034
  Top Layer w0.25: v1(52.358,75.381) U1.27@52.358,76.678
  Bottom Layer w0.15: v1(52.358,75.381) 52.358,74.47 53.573,73.255 69.516,73.255 70.544,74.282 77.374,74.282 JTAG.5@78.517,73.14
TDO: JTAG.2 RN9.8 U1.24 | length 39.9
  Top Layer w0.15: RN9.8@83.307,76.034 83.307,75.364 84.185,74.487 84.79,74.487 JTAG.2@86.137,73.14
  Top Layer w0.25: v1(53.85,75.666) 53.858,75.673 U1.24@53.858,76.678
  Bottom Layer w0.15: v1(53.85,75.666) 53.875,75.641 53.875,75.213 55.084,74.005 69.206,74.005 70.327,75.126 84.151,75.126 JTAG.2@86.137,73.14
TMS: JTAG.3 RN9.7 U1.25 | length 37
  Top Layer w0.15: RN9.7@82.507,76.034 82.507,75.412 83.597,74.323 JTAG.3@83.597,73.14
  Top Layer w0.25: U1.25@53.358,76.678 53.358,75.418 v1(53.361,75.415)
  Bottom Layer w0.15: v1(53.361,75.415) 53.36,75.414 53.36,74.916 54.521,73.755 69.309,73.755 70.43,74.876 81.861,74.876 JTAG.3@83.597,73.14
VCC: C1.2 C2.2 C3.2 C4.2 C5.2 C6.2 C10.2 C12.2 C20.1 EXT.10 JTAG.1 R3.2 R6.2 R7.2 R16.1 R17.1 R18.2 RN9.1 RN9.2 RN9.3 RN9.4 U1.12 U1.21 U1.23 U1.51 U1.52 U1.62 U1.63 U1.88 U1.91 U1.95 U1.122 U1.143 U8.20 U9.20 U10.20 U11.20 U12.2 U12.4 | length 51.6
  Top Layer w0.15: U8.20@35.942,55.856 35.942,56.531 36.096,56.684 36.096,56.771 v1(36.153,56.829) ; U9.20@35.961,63.526 35.965,63.521 35.965,62.434 v1(35.97,62.429) ; U10.20@35.979,71.215 36.054,71.14 36.029,71.115 36.029,70.026 v1(36.079,69.976) ; U11.20@35.986,78.887 36.044,78.829 36.044,77.839 v1(36.101,77.781) ; R7.2@48.39,79.964 48.34,80.013 48.34,80.726 v1(48.418,80.804) ; R3.2@49.288,52.176 50.607,52.176 51.028,52.596 v1(51.028,54.488) ; C10.2@69.444,74.381 69.494,74.431 R6.2@71.772,74.431 ; RN9.4@80.907,77.834 RN9.1@83.307,77.834 v1(83.978,77.834) v1@84.098,77.834
  Top Layer w0.25: C3.2@43.942,61.829 v1@44.86,61.828 ; C2.2@43.942,66.991 44.003,67.052 44.639,67.052 44.915,67.328 ; C1.2@43.942,76.646 v1(43.942,77.582) ; v1@43.961,57.861 43.97,57.852 C4.2@43.97,56.95 ; v1(44.844,61.812) v1@44.86,61.828 ; U1.63@46.008,61.828 v1@44.86,61.828 ; U1.62@46.008,62.328 45.128,62.328 44.873,62.073 44.873,61.841 v1@44.86,61.828 ; U1.52@46.008,67.328 44.915,67.328 ; U1.51@46.008,67.828 45.046,67.828 44.9,67.682 44.9,67.343 44.915,67.328 ; U1.23@54.358,76.678 54.358,77.637 54.222,77.773 54.222,77.837 54.945,78.56 C12.2@54.945,78.61 55.22,78.335 55.22,77.932 55.37,77.781 55.37,77.741 55.974,77.741 v1(55.982,77.749) ; C5.2@54.663,53.447 54.663,53.497 54.938,53.772 55.29,53.772 55.355,53.838 ; v1(55.355,54.671) 55.355,53.838 ; v1@55.358,54.671 U1.88@55.358,55.478 ; U1.21@55.358,76.678 55.358,77.738 55.369,77.749 ; R18.2@56.33,52.093 55.358,53.065 55.358,53.588 55.355,53.59 55.355,53.838 ; v1(56.855,56.683) 56.858,56.68 U1.91@56.858,55.478 ; v1@58.858,54.671 U1.95@58.858,55.478 ; v1(58.906,54.671) 58.906,53.438 58.873,53.405 58.873,52.218 R16.1@58.961,52.13 ; U1.12@59.858,76.678 59.858,77.677 v1@59.862,77.682 ; U1.122@67.208,63.828 68.431,63.828 v1@68.433,63.825 ; U1.143@67.208,74.328 68.37,74.328 68.447,74.405 v1(68.501,74.405) ; v1(68.427,63.813) 69.34,63.813 C6.2@69.352,63.825 ; v1@68.51,74.357 68.532,74.335 C10.2@69.417,74.335
  Top Layer w1: U12.2@69.484,91.37 U12.4@69.484,97.17
  Int2 (PWR) w0.25: v1(55.355,54.671) 55.355,56.757
  other v1: 43.961,57.835 44.889,67.629 59.844,77.702 54.222,77.827 65.493,94.873 65.836,95.08 65.49,95.287 65.832,95.501 65.486,95.708
VCC_1.2: C13.2 C14.2 C15.2 C16.2 C22.1 C24.2 R5.2 U1.2 U1.13 U1.22 U1.49 U1.57 U1.73 U1.85 U1.96 U1.107 U1.125 U1.128 U1.130 U13.2 U13.4 | length 127.1
  Top Layer w0.25: C14.2@43.99,68.855 44.017,68.828 U1.49@46.008,68.828 47.621,68.828 47.858,68.592 ; U1.57@46.008,64.828 47.852,64.828 47.858,64.822 ; 47.858,57.876 47.815,57.833 47.815,56.278 47.858,56.235 47.858,53.506 C13.2@47.866,53.497 ; U1.85@53.858,55.478 53.858,57.595 54.035,57.772 ; v1@54.858,75.194 U1.22@54.858,76.678 ; U1.96@59.358,55.478 59.358,57.68 59.45,57.772 ; 59.368,74.738 59.358,74.748 U1.13@59.358,76.678 59.358,78.6 C24.2@59.371,78.613 ; 64.5,74.738 64.858,74.738 U1.2@64.858,76.678 ; C15.2@64.832,53.34 64.858,53.366 U1.107@64.858,55.478 64.858,58.358 ; 64.858,65.341 64.88,65.318 66.394,65.318 66.404,65.328 U1.125@67.208,65.328 ; 64.858,66.826 64.86,66.828 U1.128@67.208,66.828 ; 64.858,67.836 64.865,67.828 U1.130@67.208,67.828 69.287,67.828 C16.2@69.342,67.883 v1(69.342,68.722) ; v1(70.521,72.979) 71.699,72.979 R5.2@71.759,73.039
  Top Layer w1: 47.858,68.592 48.023,68.427 48.023,58.138 48.388,57.772 54.035,57.772 59.45,57.772 64.272,57.772 64.858,58.358 64.858,65.341 64.858,66.826 64.858,67.836 64.858,74.38 55.663,74.38 v1(55.349,74.694) ; U13.2@54.069,91.348 U13.4@54.069,97.148 ; v1@54.858,75.194 v1@55.314,74.738
  Bottom Layer w0.25: v1(69.342,68.722) 69.342,71.791 70.521,72.969 v1(70.521,72.979)
  Bottom Layer w1: v1(51.048,95.428) 52.772,95.428 53.39,94.81 53.39,82.573 55.108,80.855 55.108,74.935 v1(55.349,74.694)
  other v1: 55.84,74.685 54.975,75.177 52.146,95.415 52.702,95.396 51.586,95.425
VCC_3.3: PI.17 R9.2 R19.2 | length 34.6
  Top Layer w0.127: R9.2@30.748,93.289 30.748,92.44 v1@30.756,92.433 ; R19.2@44.213,91.432 44.213,91.382 43.319,90.489 43.319,84.868 44.022,84.165 52.87,84.165 53.627,83.407 53.627,81.97 53.701,81.895 54.324,81.895 PI.17@54.556,82.127
  Bottom Layer w0.127: v1(30.732,92.417) 39.975,92.417 41.912,90.48 v1(43.336,90.48)
pads on no net: CN1.P$147 CN1.P$148 CN1.P$150 PI.1 PI.M U1.36

## Polygon pours and split planes (outlines as drawn)
VCC on Int2 (PWR) "VCC_L03_P006" (solid, remove dead copper, pour order 6): 26.093,99 90.855,99 90.855,93.927 90.855,71.268 78.972,71.268 77.993,70.288 77.993,56.446 77.803,56.446 77.203,55.845 77.171,55.877 68.227,55.877 68.227,44.152 67.058,42.982 47.59,42.982 46.895,42.287 46.895,0.444 26.093,0.444
+5 on Int2 (PWR) "+5_L03_P001" (solid, pour order 1): 23.827,98.999 23.887,99.059 38.137,99.059 38.137,94.296 23.798,94.296 23.798,99.015
+5 on Int2 (PWR) "+5_L03_P000" (solid, remove dead copper, pour order 0): 11.053,99.111 11.114,99.173 26.001,99.173 26.001,0.222 25.837,0.058 11.176,0.058 11.176,99.171 11.184,99.18
+5 on Int2 (PWR) "+5_L03_P005" (solid, pour order 5): 38.139,87.545 38.139,98.382 32.34,98.382 32.411,98.312 32.411,87.545
GND on Int1 (GND) "GND_L02_P002" (solid, remove dead copper, pour order 2): 11.053,99.111 11.105,99.059 91.005,99.059 91.005,71.05 91.131,70.924 90.984,70.778 78.482,70.778 78.482,55.931 78.404,55.852 78.379,55.877 68.227,55.877 68.227,43.373 67.225,42.371 67.058,42.539 47.548,42.539 47.548,0.586 46.456,-0.506 10.947,-0.506 10.947,99.005
GND on Top Layer "GND_L01_P003" (solid, remove dead copper, pour order 3): 11.176,98.988 11.176,0.058 46.493,0.058 47.315,0.88 47.174,1.021 47.174,42.354 66.429,42.354 68.227,44.152 67.957,44.422 67.957,55.721 77.637,55.721 78.388,56.472 78.263,56.597 78.263,70.407 90.362,70.407 91.406,71.45 91.364,71.492 91.364,98.862 11.302,98.862
GND on Bottom Layer "GND_L04_P004" (solid, remove dead copper, pour order 4): 10.897,98.921 10.897,-0.009 46.214,-0.009 47.036,0.813 46.895,0.954 46.895,42.287 66.151,42.287 67.948,44.085 67.679,44.355 67.679,55.654 77.358,55.654 78.109,56.405 77.984,56.53 77.984,70.34 90.084,70.34 91.127,71.383 91.085,71.425 91.085,98.795 11.023,98.795

## Keep-outs
Keep-Out Layer:
  lines w0.4: 11,1 ccw(c12,1) 12,0 46,0 ccw(c46,1) 47,1 47,42 cw(c48,42) 48,43 66.5,43 ccw(c66.5,44) 67.5,44 67.5,55 67.5,55 cw(c68.5,55) 68.5,56 77,56 ccw(c77,57) 78,57 78,70 cw(c79,70) 79,71 90,71 ccw(c90,72) 91,72 91,98 ccw(c90,98) 90,99 12,99 ccw(c12,98) 11,98 11,1 ; 27.834,49.56 ccw(c29.834,49.56) 31.835,49.56 31.835,70.56 ccw(c29.834,70.56) 27.834,70.56 27.834,49.56
  lines w1: 67.5,55 cw(c68.5,55) 68.5,56 77,56 ccw(c77,57) 78,57 78,70 cw(c79,70) 79,71 90,71 ccw(c90,72) 91,72 91,98 ccw(c90,98) 90,99 12,99 ccw(c12,98) 11,98 11,1 ccw(c12,1) 12,0 46,0 ccw(c46,1) 47,1 47,42 cw(c48,42) 48,43 66.5,43 ccw(c66.5,44) 67.5,44 67.5,55
  lines w4: 29.834,49.56 29.834,70.56

## Other copper
Top Layer:
  rectangle net NetC19_1: 40.827,91.789 41.913,93.514
  rectangle net +5: 39.27,92.467 40.336,96.515
  rectangle net +5: 38.139,90.965 40.336,92.975
  rectangle net +5: 33.227,87.817 37.746,92.972
  rectangle net VCC_1.2: 55.284,74.237 56.623,75.231
  rectangle net VCC_1.2: 47.409,94.559 57.636,98.354
  rectangle net VCC: 62.798,94.697 73.115,98.374
  text "1" at 89.503,88.252 h1.5
Int1 (GND):
  text "2" at 89.511,88.268 h1.5
Int2 (PWR):
  rectangle net VCC: 63.878,93.276 66.415,95.99
  rectangle net +5: 32.411,87.545 38.139,89.146
  rectangle net +5: 27.428,95.979 34.101,96.893
  text "3" at 90.156,88.268 h1.5
Bottom Layer:
  text "4" at 90.156,88.264 h1.5
  text "PiStorm32-lite Rev.1" at 57.73,44.609 h1 r180

## Silkscreen, mask and mechanical layers (free items; w line width, h text height)
Top Overlay:
  text "FPGA" at 84.806,96.732 h1.5
  text "PI" at 84.795,94.291 h1.5
  text "3.3V" at 84.839,91.835 h1.5
  text "1.2V" at 84.819,89.42 h1.5
  text "GND" at 75.065,74.681 h1
  text "TDI" at 77.745,74.617 h1
  text "TCK" at 80.181,74.598 h1
  text "TMS" at 82.734,74.593 h1
  text "3.3V" at 87.773,74.595 h1
  text "TDO" at 85.171,74.57 h1
  text "6" at 77.339,65.53 h1
  text "7" at 71.467,65.477 h1
  text "5" at 71.487,63.069 h1
  text "4" at 77.348,62.925 h1
  text "2" at 77.334,60.478 h1
  text "3" at 71.463,60.439 h1
  text "1" at 71.501,57.912 h1
  text "0" at 77.343,57.912 h1
  text "Place 100R for permanent Busmaster" at 23.647,23.853 h1
  text "Special Thanks go to : Abrugsch Apolkosnik Arananet Archi-Tech Bnu Flype KaiN Lemaru LinuxJedi LIV2 Lucas Madgrizzle Majsta Michal MrZ Niklas Pedro Raffles Shanshe ShK Tuko         And the entire PiStorm community" at 14.101,19.326 h1 r90
  text "JLCJLCJLCJLC" at 13.902,4.752 h1 r90
Bottom Overlay:
  rectangle: 32.476,30.228 41.881,39.207
  text "GND" at 33.41,96.014 h2 r180
  text "+5V" at 33.466,92.267 h2 r180
  text "PiStorm32-lite" at 64.221,92.261 h4 r180
  text "Isolate the A1200 Keyboard from the Pi with Tape or Plastic Sheet" at 39.901,79.923 h1.5 r180
  text "Add a 1mm Thermal Pad" at 48.731,58.814 h1.5 r180
  text "Mount Pi with 3x M2.5x8 + 3mm Spacer" at 27.101,42.902 h1.5 r180
Top Solder:
  rectangle: 50.175,59.247 64.15,72.908
Bottom Solder:
  rectangle: 50.186,58.991 64.166,72.981
Mechanical 10:
  drawing of 10926 lines, arcs and shapes, not listed
  text "J10" at 96.667,86.216 h0.8
  text "ETHERNET" at 101.367,86.016 h0.96
  text "J8" at 31.467,81.716 h0.8
  text "J14" at 89.367,81.366 h0.8
  text "GPIO" at 46.867,79.516 h0.96
  text "Raspberry Pi 4 Model B" at 55.767,79.316 h1.15
  text "PoE" at 84.367,77.516 h0.8 r90
  text "c Raspberry Pi 2018" at 57.067,76.688 h1.15
  text "PCB-R4" at 104.367,75.016 h1.15 r90
  text "J4" at 26.767,68.616 h0.8
  text "DISPLAY" at 34.467,56.816 h0.96 r90
  text "RUN" at 34.367,54.516 h0.8
  text "GLOBAL_EN" at 37.567,54.516 h0.8
  text "J3" at 68.867,53.716 h0.8
  text "J2" at 42.167,52.016 h0.8
  text "FCC ID: 2ABCB-RPI4B" at 46.367,51.616 h0.96
  text "J12" at 100.367,51.016 h0.8
  text "USB3" at 106.367,51.016 h0.96
  text "IC: 20953-RPI4B" at 46.367,49.916 h0.96
  text "Made in the UK" at 55.367,46.016 h0.96
  text "ACT" at 27.267,45.416 h0.8 r90
  text "CAMERA" at 68.767,41.616 h0.96 r90
  text "J6" at 48.767,39.616 h0.8
  text "J13" at 61.767,39.616 h0.8
  text "PWR" at 30.167,38.616 h0.8
  text "J7" at 83.767,37.916 h0.8
  text "PCB MADE" at 103.367,37.016 h1.15 r90
  text "IN P.R.C." at 105.367,37.016 h1.15 r90
  text "J1" at 32.867,35.116 h0.8
  text "J11" at 99.667,33.016 h0.8
  text "USB2" at 106.367,33.016 h0.96
  text "A/V" at 75.867,32.616 h0.96 r90
  text "POWER IN" at 43.467,32.516 h0.96 r90
  text "HDMI0" at 47.667,32.516 h0.96 r90
  text "HDMI1" at 61.167,32.516 h0.96 r90
Document:
  lines w0.003: 70.677,53.791 70.728,53.842

## Dimensions
12,99 to 12,0 on Mechanical 10
11,1 to 91,98 on Mechanical 10

## Text inside footprints (layer, text, board x,y; h text height)
EXT: Top Overlay "3.3V" at 71.87,67.475 h1 r90; Top Overlay "GND" at 77.912,67.451 h0.9 r90
PI: Top Overlay "1" at 32.942,80.825 h1.5